# Altium PCB PCB1.PcbDoc
Units mil, origin at the board's own origin, x right, y up, seen from the top; angles counter-clockwise.
Board outline 3150 x 3925 mil, 2 copper layers (Top Layer, Bottom Layer); 21 components, 27 nets, 137 pads, 14 vias.
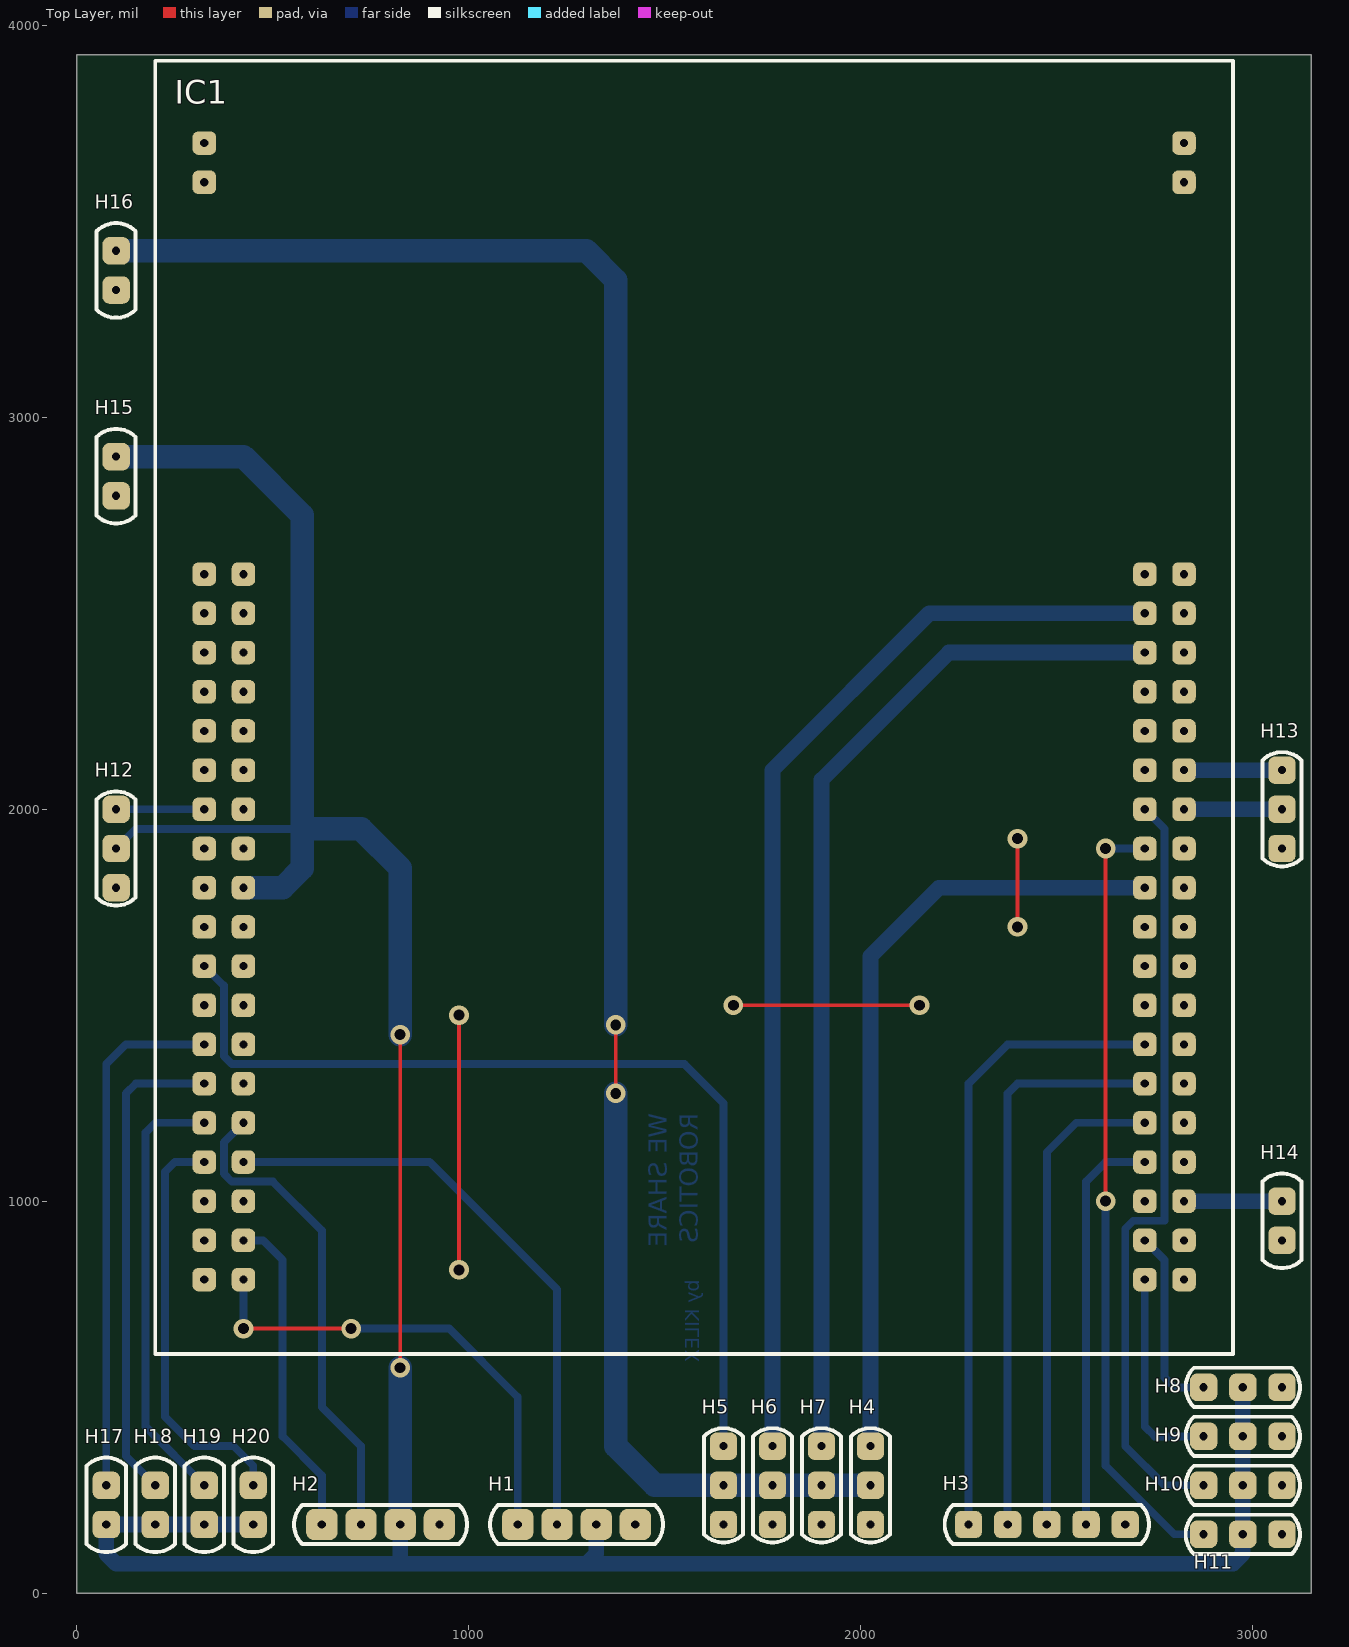
[diagram p0: Top Layer view]
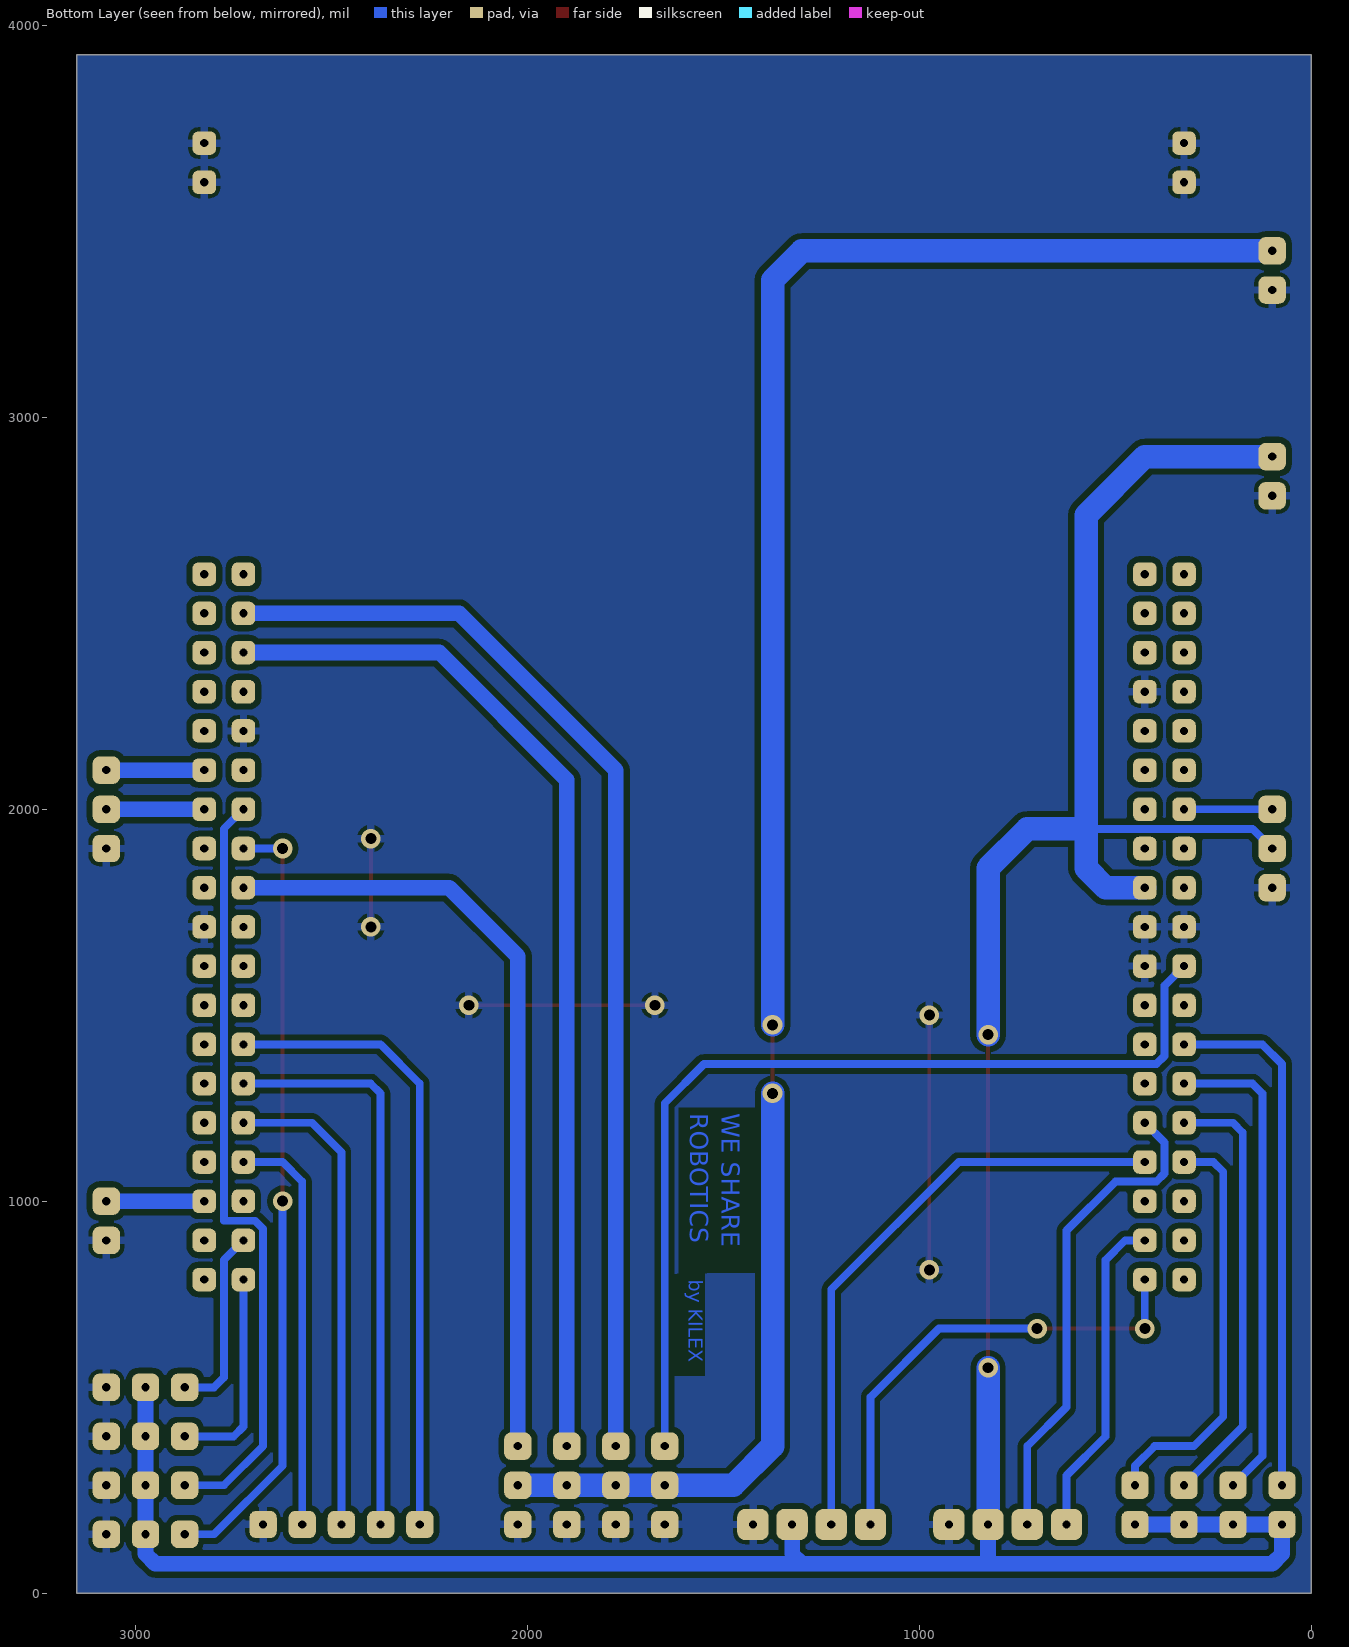
[diagram p1: Bottom Layer view, seen from below]

## Layer stack, top to bottom
Top Solder: solder mask 0.4, Solder Resist, Dk 3.5
Top Layer: signal copper 1.4
Dielectric 1: dielectric 12.6, FR-4, Dk 4.8
Bottom Layer: signal copper 1.4
Bottom Solder: solder mask 0.4, Solder Resist, Dk 3.5

## Board outline
0,0 0,3925 3150,3925 3150,0

## Design rules (kind name [scope] priority, off if disabled: settings)
Clearance [All] p1: gap=15
PlaneConnect [All] p1: planeconnectstyle=Relief reliefexpansion=20 reliefentries=4 reliefconductorwidth=20 reliefairgap=10
PolygonConnect [All] p1: connectstyle=Relief reliefconductorwidth=20 reliefentries=4 polygonreliefangle="90 Angle" airgapwidth=10
RoutingVias [All] p1: holewidth=28 width=50 viastyle="Through Hole" minholewidth=28 minwidth=50 maxholewidth=28 maxwidth=50
SolderMaskExpansion [All] p1: expansion=4
Width [All] p1: maxlimit=60 minlimit=10 preferedwidth=40 toplayer_maxwidth=10 toplayer_prefwidth=10 bottomlayer_minwidth=20 minimp=50.000000 maximp=50.000000 favimp=50.000000
29 further rules are at their usual default settings.

## Components (designator, comment, footprint, x,y, rotation, side; value= is the part's Value field where it differs from the comment)
H1 "Encoder1" Header1x4 1125,175 r0 top
H2 "Encoder2" Header1x4 625,175 r0 top
H3 "HBridge" Header1x5 2275,175 r0 top
H4 "Servo1" "Header 1x3" 2025,175 r90 top
H5 "Servo2" "Header 1x3" 1650,175 r90 top
H6 "Servo3" "Header 1x3" 1775,175 r90 top
H7 "Servo4" "Header 1x3" 1900,175 r90 top
H8 "IR Analog1" "Header 1x3" 3075,525 r180 top
H9 "IR Analog2" "Header 1x3" 3075,400 r180 top
H10 "IR Analog3" "Header 1x3" 3075,275 r180 top
H11 "IR Analog4" "Header 1x3" 3075,150 r180 top
H12 "IR Digital" "Header 1x3" 100,1800 r90 top
H13 "Rpi Serial" "Header 1x3" 3075,1900 r90 top
H14 "StartBit" Header1x2 3075,900 r90 top
H15 "5V" Header1x2 100,2800 r90 top
H16 "5V-S" Header1x2 100,3325 r90 top
H17 "Takt1" Header1x2 75,175 r90 top
H18 "Takt2" Header1x2 200,175 r90 top
H19 "Takt3" Header1x2 325,175 r90 top
H20 "Takt4" Header1x2 450,175 r90 top
IC1 "Nucleo_STM32F411RE" Nucleo411 325,2600 r0 top

## Footprints (in the part's own frame and the unit in brackets; to place one, negate y for a bottom-side part, rotate by r counter-clockwise, add the part's x,y. Pads: shape width x height; smd on the part's side, far side on the other; paste and mask are expansions set on the pad)
Header1x2 [mil]
  rrect50% 70x70 hole 21: 1(0,0) 2(100,0)
  silkscreen extent -71,-50 171,50
Header1x4 [mil]
  rrect50% 80x80 hole 21: 1(0,0) 2(100,0) 3(200,0) 4(300,0)
  silkscreen extent -71,-50 371,50
Header1x5 [mil]
  rrect50% 70x70 hole 21: 1(0,0) 2(100,0) 3(200,0) 4(300,0) 5(400,0)
  silkscreen extent -61,-50 461,50
"Header 1x3" [mil]
  rrect50% 70x70 hole 21: 1(0,0) 2(100,0) 3(200,0)
  silkscreen extent -46,-50 246,50
Nucleo411 [mil]
  rrect50% 60x60 hole 21: 1(0,0) 2(100,0) 3(0,-100) 4(100,-100) 5(0,-200) 6(100,-200) 7(0,-300) 8(100,-300) 9(0,-400) 10(100,-400) 11(0,-500) 12(100,-500) 13(0,-600) 14(100,-600) 15(0,-700) 16(100,-700) 17(0,-800) 18(100,-800) 19(0,-900) 20(100,-900) 21(0,-1000) 22(100,-1000) 23(0,-1100) 24(100,-1100) 25(0,-1200) 26(100,-1200) 27(0,-1300) 28(100,-1300) 29(0,-1400) 30(100,-1400) 31(0,-1500) 32(100,-1500) 33(0,-1600) 34(100,-1600) 35(0,-1700) 36(100,-1700) 37(0,-1800) 38(100,-1800) 39(2400,0) 40(2500,0) 41(2400,-100) 42(2500,-100) 43(2400,-200) 44(2500,-200) 45(2400,-300) 46(2500,-300) 47(2400,-400) 48(2500,-400) 49(2400,-500) 50(2500,-500) 51(2400,-600) 52(2500,-600) 53(2400,-700) 54(2500,-700) 55(2400,-800) 56(2500,-800) 57(2400,-900) 58(2500,-900) 59(2400,-1000) 60(2500,-1000) 61(2400,-1100) 62(2500,-1100) 63(2400,-1200) 64(2500,-1200) 65(2400,-1300) 66(2500,-1300) 67(2400,-1400) 68(2500,-1400) 69(2400,-1500) 70(2500,-1500) 71(2400,-1600) 72(2500,-1600) 73(2400,-1700) 74(2500,-1700) 75(2400,-1800) 76(2500,-1800) 77(0,1100) 78(0,1000) 79(2500,1100) 80(2500,1000)
  silkscreen extent -125,-1990 2625,1310, body extent -394,-1991 2623,3127, height 416

## Part data
H1 H2: library part Header1x4
H3: library part Header1x5
H4 H5 H6 H7 H8 H9 H10 H11 H12 H13: library part "Header 1x3"
H14 H15 H16 H17 H18 H19 H20: library part Header1x2

## Via types
v1: diameter 50, hole 28, Top Layer to Bottom Layer, 14 vias

## Nets (pads, with @x,y where several pads share a name; then routed paths per layer and width w, separated by ;. In a path a pad name is that pad's centre, name@x,y a point inside that pad or via, vN(x,y) a via of type N, cw(c..) or ccw(c..) an arc to the next point about the centre after c; other vN are vias at no path point)
5V: H1.3 H2.3 H8.2 H9.2 H10.2 H11.2 H12.2 H15.2 H17.1 H18.1 H19.1 H20.1 IC1.18 | length 8076
  Top Layer w10: v1(825,575) v1(825,1425)
  Bottom Layer w20: H12.2 150,1950 575,1950
  Bottom Layer w40: H20.1 H19.1 H18.1 H17.1 75,100 100,75 825,75 ; H2.3 825,75 ; H1.3 1325,100 1300,75 ; H8.2 H9.2 H10.2 H11.2 2975,100 2950,75 1300,75 ; 825,75 1300,75
  Bottom Layer w60: H15.2 425,2900 575,2750 575,1950 ; IC1.18 525,1800 575,1850 575,1950 ; H2.3 v1(825,575) ; v1(825,1425) 825,1850 725,1950 575,1950
5V-S: H4.2 H5.2 H6.2 H7.2 H16.2 | length 4972.5
  Top Layer w10: v1(1375,1275) v1(1375,1450)
  Bottom Layer w60: H16.2 1300,3425 1375,3350 v1(1375,1450) ; v1(1375,1275) 1375,375 1475,275 H5.2 H6.2 H7.2 H4.2
GND: H1.4 H2.4 H3.5 H4.1 H5.1 H6.1 H7.1 H8.1 H9.1 H10.1 H11.1 H12.1 H13.1 H14.1 H15.1 H16.1 IC1.8 IC1.19 IC1.20 IC1.22 IC1.47 IC1.58 IC1.77 IC1.78 IC1.79 IC1.80 | length 1350
  Top Layer w10: v1(975,825) v1(975,1475) ; v1(1675,1500) v1(2150,1500) ; v1(2400,1700) v1(2400,1925)
PA1: H2.2 IC1.30 | length 1251.9
  Bottom Layer w20: IC1.30 375,1150 375,1070.5 395.5,1050 500,1050 625,925 625,475 725,375 H2.2
PA2: H8.3 IC1.73 | length 481.1
  Bottom Layer w20: IC1.73 2775,850 2775,550 2800,525 H8.3
PA3: H9.3 IC1.75 | length 535.4
  Bottom Layer w20: IC1.75 2725,425 2750,400 H9.3
PA4: H1.2 IC1.32 | length 1534.6
  Bottom Layer w20: IC1.32 900,1100 1225,775 H1.2
PA6: H10.3 IC1.51 | length 1975.1
  Bottom Layer w20: IC1.51 2775,1950 2775,950 2695.5,950 2675,929.5 2675,375 2775,275 H10.3
PA7: H11.3 IC1.53 | length 1997.5
  Top Layer w10: v1(2625,1000) v1(2625,1900)
  Bottom Layer w20: v1(2625,1000) 2625,325 2800,150 H11.3 ; v1(2625,1900) IC1.53
PA11: H13.3 IC1.50 | length 250
  Bottom Layer w40: IC1.50 H13.3
PA12: H13.2 IC1.52 | length 250
  Bottom Layer w40: IC1.52 H13.2
PA13: H12.3 IC1.13 | length 225
  Bottom Layer w20: H12.3 IC1.13
PB3: H3.4 IC1.69 | length 1045.7
  Bottom Layer w20: H3.4 2575,1050 2625,1100 IC1.69
PB4: H3.2 IC1.65 | length 1460.4
  Bottom Layer w20: H3.2 2375,1275 2400,1300 IC1.65
PB5: H3.3 IC1.67 | length 1231.1
  Bottom Layer w20: H3.3 2475,1125 2550,1200 IC1.67
PB6: H4.3 IC1.55 | length 2022.5
  Bottom Layer w40: H4.3 2025,1625 2200,1800 IC1.55
PB7: H5.3 IC1.21 | length 2450.1
  Bottom Layer w20: IC1.21 375,1550 375,1370.5 395.5,1350 1550,1350 1650,1250 H5.3
PB8: H6.3 IC1.41 | length 2840.7
  Bottom Layer w40: H6.3 1775,2100 2175,2500 IC1.41
PB9: H7.3 IC1.43 | length 2659.6
  Bottom Layer w40: H7.3 1900,2075 2225,2400 IC1.43
PB10: H3.1 IC1.63 | length 1616.4
  Bottom Layer w20: H3.1 2275,1300 2375,1400 IC1.63
PC0: H1.1 IC1.38 | length 1222.5
  Top Layer w10: v1(425,675) v1(700,675)
  Bottom Layer w20: v1(425,675) IC1.38 ; v1(700,675) 950,675 1125,500 H1.1
PC1: H2.1 IC1.36 | length 837.1
  Bottom Layer w20: IC1.36 475,900 525,850 525,400 625,300 H2.1
PC4: H14.2 IC1.72 | length 250
  Bottom Layer w40: IC1.72 H14.2
PC14: H17.2 IC1.25 | length 1345.7
  Bottom Layer w20: H17.2 75,1350 125,1400 IC1.25
PC15: H18.2 IC1.27 | length 1241.4
  Bottom Layer w20: H18.2 125,350 125,1275 150,1300 IC1.27
PH0: H19.2 IC1.29 | length 1122.5
  Bottom Layer w20: H19.2 175,425 175,1175 200,1200 IC1.29
PH1: H20.2 IC1.31 | length 1062.1
  Bottom Layer w20: IC1.31 250,1100 225,1075 225,450 300,375 400,375 450,325 H20.2
pads on no net: IC1.1 IC1.2 IC1.3 IC1.4 IC1.5 IC1.6 IC1.7 IC1.9 IC1.10 IC1.11 IC1.12 IC1.14 IC1.15 IC1.16 IC1.17 IC1.23 IC1.24 IC1.26 IC1.28 IC1.33 IC1.34 IC1.35 IC1.37 IC1.39 IC1.40 IC1.42 IC1.44 IC1.45 IC1.46 IC1.48 IC1.49 IC1.54 IC1.56 IC1.57 IC1.59 IC1.60 IC1.61 IC1.62 IC1.64 IC1.66 IC1.68 IC1.70 IC1.71 IC1.74 IC1.76

## Polygon pours and split planes (outlines as drawn)
GND on Bottom Layer "GND" (solid, pour order 4): 0,0 3150,0 3150,3925 0,3925

## Other copper
Bottom Layer:
  text "WE SHARE / ROBOTICS" at 1600,1225 h80 r90
  text "by KILEX" at 1600,800 h60 r90

## Silkscreen, mask and mechanical layers (free items; w line width, h text height)
Mechanical 1:
  the board outline again, w10